# Altium PCB Copy of GameBoard_V1I1_083018.PcbDoc (part 8 of 21)
Units mil, origin at the board's own origin, x right, y up, seen from the top; angles counter-clockwise.
Board outline 7165.35 x 2763.78 mil, 12 copper layers (L1, L2, L3, L4, L5 (PWR), L6 (PWR), L7 (PWR), L8 (PWR), L9, L10, L11, L12), stack 61.575 mil thick; 1542 components, 1068 nets, 5447 pads, 3797 vias.
Unrouted connection lines stored in the file: 105.
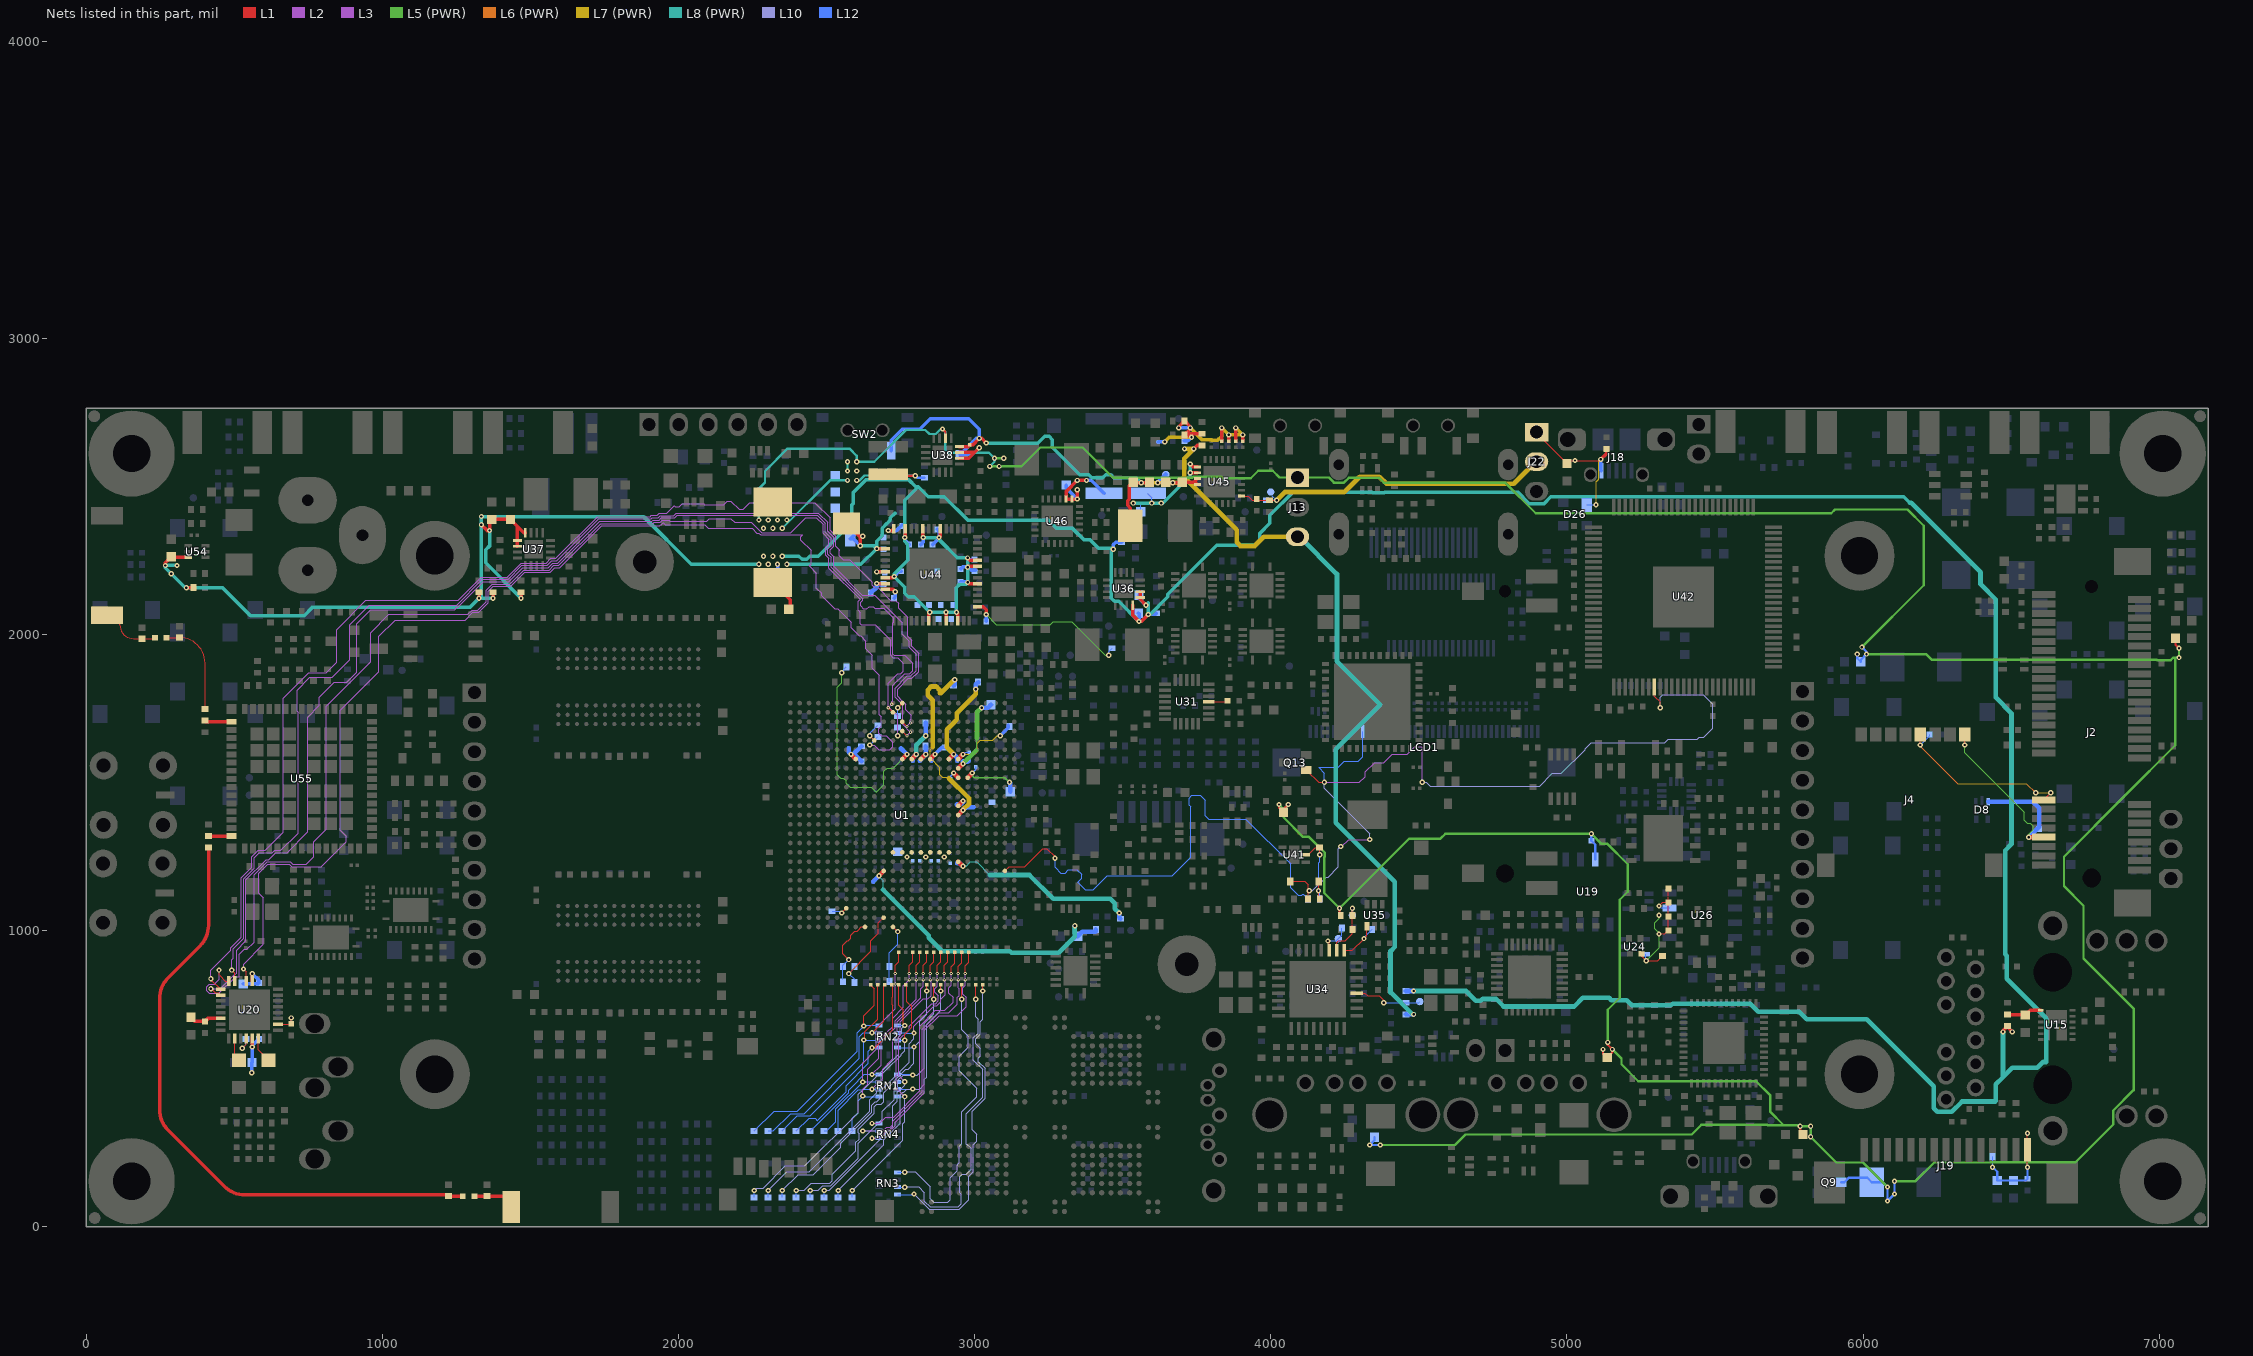
[diagram p18: the nets of this part, all layers, seen from the top]

## Via types
v1: diameter 17.72, hole 7.87, L1 to L12, 1936 vias
v2: diameter 17.72, hole 7.87, L1 to L12, tented both sides, 999 vias
v3: diameter 10.63, hole 3.94, L1 to L2, 337 vias
v4: diameter 10.63, hole 3.94, L2 to L3, 335 vias
v5: diameter 10.63, hole 3.94, L10 to L11, 96 vias
v6: diameter 10.63, hole 3.94, L11 to L12, 94 vias

## Nets (pads, with @x,y where several pads share a name; then routed paths per layer and width w, separated by ;. In a path a pad name is that pad's centre, name@x,y a point inside that pad or via, vN(x,y) a via of type N, cw(c..) or ccw(c..) an arc to the next point about the centre after c; other vN are vias at no path point) (continued)
+GYRO_VREGD: C321.1 U31.16 | length 65.6
  L1 w3.94: U31.16@3790.35,1771.65 3850.39,1771.65 C321.1@3854.33,1775.59
+HDMI_VP: C73.1 R22.2 U1.L7 | length 79
  L1 w15.75: U1.L7@2818.9,1578.74 v2(2834.65,1594.49)
  L12 w15.75: C73.1@2814.96,1573.43 2834.65,1593.11 v2(2834.65,1594.49) R22.2@2834.65,1622.05
+HDMI_VPH: C76.1 R27.2 U1.M7 | length 167.6
  L1 w15.75: U1.M7@2787.4,1578.74 v2(2803.15,1594.49)
  L8 (PWR) w15.75: v2(2803.15,1594.49) 2803.15,1625.98 v2(2834.65,1657.48)
  L12 w15.75: C76.1@2791.34,1573.43 2791.34,1582.68 v2(2803.15,1594.49) ; v2(2834.65,1657.48) R27.2@2834.65,1700.79
+LVDS_2V5: C83.1 C84.1 R32.2 U1.V7 | length 130.8
  L1 w15.75: v2(2582.68,1594.49) U1.V7@2598.43,1578.74
  L12 w15.75: C84.1@2574.8,1615.55 2574.8,1602.36 v2(2582.68,1594.49) v2@2590.55,1594.49 ; C83.1@2618.11,1570.87 2594.49,1594.49 v2@2590.55,1594.49 ; R32.2@2618.11,1622.05 v2@2590.55,1594.49
+MPCIE_SIM_PWR: C238.1 D8.3 J2.8 J4.C1 | length 799.1
  L1 w3.94: v1(6343.31,1625.98) J4.C1@6343.31,1661.42
  L1 w15.75: v1(6559.06,1314.96) J2.8@6610.24,1314.96
  L5 (PWR) w3.94: v1(6343.31,1625.98) 6343.31,1600.6 6544.29,1399.61 6544.29,1371.84 6554.91,1361.22 6565.17,1361.22 6573.82,1352.57 6573.82,1340.34 6559.06,1325.58 v1(6559.06,1314.96)
  L12 w15.75: D8.3@6422.76,1435.04 6572.83,1435.04 6594.49,1413.39 6594.49,1350.39 v1(6559.06,1314.96)
+MPCIE_SIM_VPP: C239.1 J2.16 J4.C6 | length 627.1
  L1 w3.94: v1(6193.31,1625.98) J4.C6@6193.31,1661.42 ; J2.16@6610.24,1440.95 v1(6633.86,1464.57)
  L6 (PWR) w3.94: v1(6193.31,1625.98) 6193.31,1621.65 6318.9,1496.06 6551.18,1496.06 v1(6582.68,1464.57) v1(6633.86,1464.57)
  L12 w3.94: v1(6193.31,1625.98) 6224.41,1657.09 C239.1@6224.41,1661.42
+NVCC_CSI: C158.1 R113.1 U1.N7 | length 772.6
  L1 w15.75: U1.N7@2755.91,1578.74 v2(2771.65,1594.49)
  L5 (PWR) w3.66: v1(2551.18,1870.08) 2551.18,1835.64 2536.56,1821.02 2536.56,1600.55 2536.55,1525.44 2547.37,1514.63 2557.24,1514.63 2565.81,1506.06 2565.81,1497.18 2579.86,1483.13 2651.73,1483.13 2668.32,1466.54 2694.04,1492.25 2694.04,1537.55 2704.85,1548.37 2725.53,1548.37 v2(2771.65,1594.49)
  L12 w3.66: v1(2551.18,1870.08) 2551.18,1874.02 R113.1@2566.93,1889.76
  L12 w15.75: C158.1@2750.59,1614.17 2751.97,1614.17 v2(2771.65,1594.49)
+NVCC_ENET: C166.1 C167.1 R115.1 U1.R19 | length 1020.2
  L1 w15.75: v1(2677.17,1185.04) U1.R19@2692.91,1200.79
  L8 (PWR) w3.94: v1(2677.17,1185.04) 2677.17,1183.07 2691.93,1168.31 2691.93,1147.43 2690.65,1146.15 2690.65,1137.8
  L8 (PWR) w15.75: 2690.65,1137.8 2845.47,982.97 2845.47,975.69 2891.04,930.12 3118.8,930.12 3124.7,924.21 3284.15,924.21 3338.58,978.64 v1(3338.58,1015.75)
  L12 w15.75: C166.1@2657.48,1163.98 2657.48,1165.35 v1(2677.17,1185.04) ; v1(3338.58,1015.75) 3338.58,990.16 C167.1@3348.43,980.31 3363.19,995.08 3409.45,995.08 R115.1@3409.45,1002.95
+NVCC_MIPI: C163.1 R114.1 U1.K7 | length 93.4
  L1 w15.75: U1.K7@2850.39,1578.74 v2(2866.14,1594.49)
  L12 w11.81: v2(2866.14,1594.49) 2889.76,1618.11 R114.1@2901.57,1618.11
  L12 w15.75: C163.1@2854.33,1573.43 2854.33,1582.68 v2(2866.14,1594.49)
+NVCC_RGMII: C168.1 R116.1 U1.G18 | length 682.8
  L1 w15.75: U1.G18@2944.88,1232.28 v2(2960.63,1216.54)
  L8 (PWR) w3.94: v2(2960.63,1216.54) 2971.25,1216.54 2986.01,1231.3 3006.89,1231.3 3051.18,1187.01
  L8 (PWR) w15.75: 3051.18,1187.01 3185.33,1187.01 3265.06,1107.28 3457.38,1107.28 3473.43,1091.24 3473.43,1073.82 v1(3488.19,1059.06)
  L12 w15.75: C168.1@2940.95,1226.97 2950.2,1226.97 v2(2960.63,1216.54) ; v1(3488.19,1059.06) 3488.19,1043.31 R116.1@3492.13,1039.37
+PCIE_VP: C59.1 R12.2 U1.H7 | length 346.5
  L1 w15.75: U1.H7@2913.39,1578.74 v2(2929.13,1594.49)
  L7 (PWR) w15.75: v2(2929.13,1594.49) 2905.51,1618.11 2905.51,1677.17 2939.96,1711.61 2939.96,1733.56 3004.43,1798.03 3004.43,1814.47 v1(3003.94,1814.96)
  L12 w15.75: v2(2929.13,1594.49) 2940.95,1582.68 C59.1@2940.95,1573.43 ; v1(3003.94,1814.96) 3003.94,1830.71 R12.2@3011.81,1838.58
+PCIE_VPH: C64.1 R13.2 U1.G7 | length 262.4
  L1 w15.75: U1.G7@2944.88,1578.74 v2(2960.63,1594.49)
  L7 (PWR) w3.94: v2(2960.63,1594.49) 3000,1594.49 3008.86,1603.35 3008.86,1632.1 3019.48,1642.72 3061.23,1642.72 3076,1657.48 v1(3086.61,1657.48)
  L12 w3.94: v2(2960.63,1594.49) 2968.5,1602.36 C64.1@2981.69,1602.36
  L12 w11.81: v1(3086.61,1657.48) 3114.17,1685.04 R13.2@3114.17,1692.91
+PCIE_VPTX: C61.1 FB1.2 U1.G8 | length 301.2
  L1 w15.75: U1.G8@2944.88,1547.24 v2(2960.63,1562.99)
  L5 (PWR) w3.94: 3004.77,1607.14 3007.87,1610.24 3007.87,1649.61
  L5 (PWR) w15.75: v2(2960.63,1562.99) 3004.77,1607.14 ; 3007.87,1649.61 3007.87,1736.22 v1(3023.62,1751.97)
  L12 w15.75: v2(2960.63,1562.99) 2960.63,1570.28 2977.17,1570.28 C61.1@2980.32,1573.43 ; v1(3023.62,1751.97) 3045.28,1751.97 FB1.2@3055.12,1761.81
+PMIC_LICELL: C428.1 U44.42 | length 75.6
  L1 w11.81: v2(2708.66,2350.39) 2720.47,2350.39 U44.42@2726.38,2356.3
  L12 w11.81: v2(2708.66,2350.39) 2736.22,2350.39 C428.1@2755.91,2370.08
+PMIC_VCORE: C473.1 U44.49 | length 54
  L1 w11.81: v2(2669.29,2210.63) U44.49@2698.82,2210.63
  L12 w11.81: v2(2669.29,2210.63) 2690.94,2210.63 C473.1@2692.91,2208.66
+PMIC_VCOREREF: C472.1 U44.52 | length 60
  L1 w11.81: U44.52@2698.82,2151.57 2724.41,2151.57 v2(2732.28,2143.7)
  L12 w11.81: C472.1@2728.35,2122.05 2732.28,2125.98 v2(2732.28,2143.7)
+PULLUP: R465.2 R466.1 R471.2 R472.2 R473.2 R474.2 R488.2 R489.2 R490.2 R495.2 | length 774.1
  L1 w11.81: v1(3688.98,2696.85) 3688.98,2700.79 R489.2@3708.66,2720.47 3728.35,2700.79 v1(3728.35,2696.85) 3728.35,2692.91 R488.2@3708.66,2673.23 3720.47,2673.23 v1@3730.31,2663.39 ; v1(3732.28,2665.35) 3720.47,2677.17 R465.2@3767.72,2677.17 ; R474.2@3834.65,2652.17 v1(3834.65,2696.85) ; R473.2@3858.27,2652.17 v1(3858.27,2673.23) ; R472.2@3881.89,2652.17 v1(3881.89,2696.85) ; R471.2@3905.51,2652.17 v1(3905.51,2673.23)
  L7 (PWR) w11.81: v1(3641.73,2649.61) 3657.48,2665.35 v1(3732.28,2665.35) ; v1(3728.35,2696.85) 3767.72,2657.48 3800.32,2657.48 3803.28,2654.53 3819.88,2654.53 3834.65,2669.29 v1(3834.65,2696.85) v1(3858.27,2673.23) v1(3905.51,2673.23) v1(3881.89,2696.85)
  L12 w11.81: R495.2@3620.67,2649.61 v1(3641.73,2649.61) ; v1(3688.98,2696.85) v1(3728.35,2696.85) ; R490.2@3708.66,2653.54 3720.47,2653.54 v1(3732.28,2665.35)
+PWRON_1V375_OPT: C418.1 R301.2 U44.16 | length 580
  L1 w11.81: U44.16@3009.84,2092.52 3029.53,2092.52 3039.37,2082.68 v2(3039.37,2066.93)
  L5 (PWR) w3.94: v2(3039.37,2066.93) 3073.71,2032.59 3255.8,2032.59 3265.54,2042.32 3327.76,2042.32 3440.94,1929.13 v1(3452.76,1929.13)
  L12 w3.94: v1(3452.76,1929.13) 3452.76,1940.94 R301.2@3464.57,1952.76
  L12 w11.81: C418.1@3039.37,2043.31 v2(3039.37,2066.93)
+SATA_VP: C87.1 R39.2 U1.G13 | length 704.6
  L1 w15.75: U1.G13@2944.88,1389.76 v2(2960.63,1405.51)
  L7 (PWR) w3.94: 2858.27,1618.05 2850.39,1610.18 2850.39,1582.68 2882.87,1550.2 2882.87,1525.38 2891.52,1516.73 2910.14,1516.73 2913.39,1513.48
  L7 (PWR) w15.75: 2858.27,1618.05 2858.27,1777.86 2841.54,1794.59 2841.54,1811.71 2853.64,1823.82 2870.77,1823.82 2882.87,1811.71 2882.87,1800.97 2885.91,1800.97 2931.4,1846.46 v1(2933.07,1846.46) ; 2913.39,1513.48 2981.3,1445.57 2981.3,1428.45 2960.63,1407.78 v2(2960.63,1405.51)
  L12 w15.75: R39.2@2929.13,1826.77 2933.07,1830.71 v1(2933.07,1846.46) ; v2(2960.63,1405.51) 2971.06,1415.95 C87.1@2996.06,1415.95
+SATA_VPH: C93.1 R40.2 U1.G12 | length 50.4
  L1 w15.75: U1.G12@2944.88,1421.26 v2(2960.63,1437.01)
  L12 w15.75: C93.1@2939.57,1425.2 2940.55,1426.18 2953.46,1426.18 2960.63,1433.35 v2(2960.63,1437.01)
+SYS: C350.1 C351.1 C483.1 C484.1 C485.1 C486.1 J13.3 L17.2 R465.1 R583.1 SW2.3 TP45.1 U38.10 U38.11 U38.12 U45.15 U45.16 | length 4577.7
  L1 w11.81: U38.10@2948.82,2594.49 2980.31,2594.49 3000,2614.17 ; U38.11@2948.82,2614.17 3000,2614.17 ; U38.12@2948.82,2633.86 2978.94,2633.86 C351.1@2984.25,2639.17 2993.5,2639.17 v1(3015.75,2661.42) 3023.62,2661.42 v1(3039.37,2645.67) ; v1(3015.75,2629.92) 3000,2614.17 ; L17.2@3526.08,2366.14 3526.08,2425.82 3516.73,2435.17 3516.73,2450.66 3522.77,2456.69 3522.77,2501.11 C486.1@3535.43,2513.78 3537.4,2511.81 v1(3562.99,2511.81) 3588.58,2511.81 C485.1@3590.55,2513.78 ; v1(3669.29,2511.81) 3698.82,2511.81 C483.1@3700.79,2513.78 3740.16,2513.78 ; v1(3740.16,2625.98) 3751.97,2637.8 R465.1@3767.72,2637.8 ; U45.16@3751.97,2505.91 3744.09,2513.78 3740.16,2513.78 ; U45.15@3751.97,2525.59 3740.16,2513.78
  L7 (PWR) w11.81: v1(3562.99,2511.81) v1(3618.11,2511.81) v1(3669.29,2511.81)
  L7 (PWR) w15.75: v1(3669.29,2511.81) 3689.96,2511.81 3707.68,2529.53 ; v1(3708.66,2625.98) v1(3740.16,2625.98) 3707.68,2593.5 3707.68,2529.53 ; J13.3@4090.55,2329.13 3976.47,2329.13 3945.57,2298.23 3896.95,2298.23 3884.84,2310.34 3884.84,2352.36 3707.68,2529.53
  L8 (PWR) w11.81: v1(3039.37,2645.67) 3213.71,2645.67 3236.35,2668.31 3251.84,2668.31 3262.8,2657.35 3262.8,2630.91 3355.31,2538.39 3385.7,2538.39 3395.54,2528.54 3432.94,2528.54 3442.79,2538.39 3460.5,2538.39 3470.34,2528.54 3546.26,2528.54 v1(3562.99,2511.81)
  L8 (PWR) w15.75: J13.3@4090.55,2329.13 4097.73,2329.13 4223.43,2203.44 4223.43,1908.46 4370.08,1761.81 4219.49,1611.22 4219.49,1363.19 4418.31,1164.37 4418.31,944.19 4404.53,930.41 4404.53,790.65 4478.64,716.54 v1(4482.28,716.54)
  L12 w11.81: SW2.3@2718.5,2620.08 2718.5,2655.51 2755.91,2692.91 2814.96,2692.91 2850.39,2728.35 2980.31,2728.35 3015.75,2692.91 v1(3015.75,2661.42) 3005.91,2661.42 C350.1@2950.79,2606.3 2992.13,2606.3 v1(3015.75,2629.92)
  L12 w15.75: v1(3618.11,2511.81) TP45.1@3645.67,2539.37 ; R583.1@4456.69,716.54 v1(4482.28,716.54)
+USB_CHARGE: C359.1 C360.1 D26.1 J18.1 J22.1 | length 542.5
  L1 w3.66: J22.1@4897.64,2682.68 4897.64,2679.13 C359.1@5000,2576.77 5009.84,2586.61 v1(5027.56,2586.61) 5110.24,2586.61 v1(5114.17,2590.55)
  L1 w11.81: v1(5114.17,2590.55) 5133.86,2610.24 C360.1@5133.86,2625.98
  L7 (PWR) w3.66: v1(5098.43,2437.01) 5098.43,2514.31 5107.15,2523.03 5107.15,2583.52 v1(5114.17,2590.55)
  L12 w3.66: D26.1@5066.93,2437.01 v1(5098.43,2437.01)
  L12 w11.81: v1(5114.17,2590.55) 5114.17,2554.13 J18.1@5116.14,2552.17
+VBUS: C481.1 C482.1 J22.2 R468.2 TP25.1 U45.1 | length 1133.3
  L1 w3.94: U45.1@3901.57,2466.54 3923.23,2466.54 3937.01,2452.76 R468.2@3996.06,2452.76 v1(4019.69,2452.76)
  L7 (PWR) w15.75: v1(4019.69,2452.76) 4047.24,2480.31 4248.03,2480.31 4300.2,2532.48 4366.83,2532.48 4391.04,2508.27 4819.94,2508.27 4894.34,2582.68 J22.2@4897.64,2582.68
  L12 w3.94: C482.1@3984.25,2452.76 3984.25,2453.87 v1@4018.57,2453.87 ; TP25.1@4003.94,2468.5 v1@4018.57,2453.87 ; v1(4019.69,2452.76) v1@4018.57,2453.87
+VCC_CAN: C301.1 C304.1 C305.2 FB32.2 FB33.2 R248.2 U24.5 U26.3 | length 550.6
  L1 w3.94: C301.1@5251.97,921.26 5251.97,913.39 v1(5267.72,897.64) 5307.09,897.64 R248.2@5322.83,913.39 ; v1(5311.02,988.19) 5330.71,988.19 FB32.2@5342.52,1000 C305.2@5342.52,1047.24 C304.1@5342.52,1094.49 ; v1(5311.02,1082.68) 5322.83,1094.49 C304.1@5342.52,1094.49 ; FB33.2@5342.52,1141.73 C304.1@5342.52,1094.49
  L5 (PWR) w3.94: v1(5267.72,897.64) 5311.02,940.94 v1(5311.02,988.19) 5311.02,990.16 5296.26,1004.92 5296.26,1025.8 5311.02,1040.56 v1(5311.02,1051.18)
  L12 w3.94: U24.5@5265.75,919.29 5265.75,899.61 v1(5267.72,897.64) ; v1(5311.02,1082.68) 5317.52,1076.18 U26.3@5346.46,1076.18
+VCOREDIG: C471.1 R432.2 U44.51 | length 115.3
  L1 w11.81: v2(2669.29,2171.26) U44.51@2698.82,2171.26
  L12 w11.81: v2(2669.29,2171.26) 2690.94,2171.26 C471.1@2692.91,2169.29
  L12 w15.75: R432.2@2649.61,2139.76 2669.29,2159.45 2669.29,2169.29 C471.1@2692.91,2169.29
+VDD_CSI: C475.1 C476.1 FB48.2 J19.15 R451.2 R452.2 | length 381
  L1 w3.94: v1@6555.12,200.79 J19.15@6555.12,259.84 v1(6555.12,314.96)
  L12 w3.94: v1(6437.01,200.79) R452.2@6437.01,236.22 ; v1(6555.12,200.79) R451.2@6555.12,236.22
  L12 w7.87: v1(6437.01,200.79) 6452.76,185.04 FB48.2@6452.76,155.51 C475.1@6507.87,155.51 6549.21,155.51 C476.1@6555.12,161.42 v1(6555.12,200.79)
+VDD_SNVS_CAP: C156.1 U1.G9 | length 46.3
  L1 w15.75: v2(2929.13,1531.5) U1.G9@2944.88,1515.75
  L12 w5.91: C156.1@2918.7,1511.81 2918.7,1521.06 v2(2929.13,1531.5)
+VDDA: C271.1 FB16.1 FB20.1 U20.5 | length 153.6
  L1 w11.81: v1(561.02,606.3) U20.5@561.02,635.43
  L12 w11.81: v1(559.06,519.68) 559.06,553.39 FB20.1@559.96,554.29 561.02,555.35 v1(561.02,606.3) 561.02,611.46 C271.1@583.58,634.02
+VDDD: C270.1 FB17.2 FB18.1 U20.30 | length 109
  L1 w11.81: FB18.1@354.33,704.72 366.14,692.91 C270.1@401.57,692.91 411.42,702.76 U20.30@454.33,702.76
+VDDIO: C269.1 FB19.2 U20.20 | length 120.3
  L1 w11.81: U20.20@561.02,829.13 v1(561.02,854.33)
  L12 w11.81: FB19.2@530.71,819.33 579.92,819.33 C269.1@583.58,822.99 583.58,831.77 v1(561.02,854.33)
+VDDPU: C143.1 C144.1 C145.1 C146.1 C147.1 C148.1 U1.H17 U1.J17 U1.K17 U1.L17 U1.M17 U1.N17 U1.P17
  other v2: 2771.65,1248.03 2834.65,1248.03 2897.64,1248.03
+VDDUSB: C68.1 C69.1 U1.F9 | length 225
  L1 w15.75: U1.F9@2976.38,1515.75 v2(2992.13,1531.5)
  L5 (PWR) w5.51: v2(2992.13,1531.5) 2992.13,1522.24 2998.43,1515.94 3102.17,1515.94 v1(3118.11,1500)
  L12 w5.51: v2(2992.13,1531.5) 3003.94,1543.31 C69.1@3003.94,1552.56
  L12 w15.75: v1(3118.11,1500) 3120.08,1498.03 C68.1@3120.08,1468.5
+VIN_4V2: C337.1 C338.1 C343.1 C344.1 C355.1 C420.1 C431.1 C432.1 C433.1 C434.1 C435.1 C436.1 C437.1 C438.1 C456.1 C457.1 C461.1 C462.1 C463.1 C464.1 C465.1 C466.1 C467.1 C468.1 C469.1 C523.1 D24.1 L16.1 R119.1 R227.1 R294.2 R295.2 R305.2 R306.2 R310.1 R508.1 TP22.1 U36.1 U36.2 U36.16 U37.1 U37.2 U37.16 U44.7 U44.10 U44.12 U44.20 U44.23 U44.24 U44.34 U44.37 U44.40 U44.45 U44.50 U54.3 | length 15469.2
  L1 w11.81: v1(267.72,2232.28) 267.72,2242.13 C523.1@287.4,2261.81 289.37,2259.84 U54.3@344.88,2259.84 ; v1(338.58,2157.48) R508.1@362.2,2157.48 ; v1(1326.77,2122.05) R306.2@1326.77,2141.73 ; v1(1334.65,2370.08) 1354.33,2350.39 v1(1362.2,2350.39) 1362.2,2379.92 C344.1@1370.08,2387.8 C343.1@1433.07,2387.8 1456.3,2364.57 ; v1(1374.02,2122.05) R310.1@1374.02,2141.73 ; U37.2@1456.3,2297.24 U37.1@1456.3,2316.93 1456.3,2364.57 ; v1(1468.5,2122.05) R305.2@1468.5,2141.73 ; U37.16@1482.28,2342.91 1477.95,2342.91 1456.3,2364.57 ; D24.1@2299.21,2155.51 D24.1@2318.9,2175.2 2377.95,2116.14 C355.1@2377.95,2082.68 ; L16.1@2566.93,2374.02 2610.24,2330.71 v1(2622.05,2330.71) 2614.17,2322.83 v1(2614.17,2299.21) ; v2(2669.29,2289.37) U44.45@2698.82,2289.37 ; U44.50@2698.82,2190.94 2724.41,2190.94 v2(2728.35,2194.88) ; v2(2763.78,2326.77) 2765.75,2328.74 U44.40@2765.75,2356.3 ; U44.37@2824.8,2356.3 2824.8,2328.74 v2(2826.77,2326.77) ; U44.7@2844.49,2045.28 2844.49,2070.87 v2(2848.43,2074.8) ; v2(2879.92,2326.77) 2883.86,2330.71 U44.34@2883.86,2356.3 ; U44.10@2903.54,2045.28 v2(2903.54,2074.8) ; v2(2938.98,2074.8) 2942.91,2070.87 U44.12@2942.91,2045.28 ; v2(2976.38,2175.2) 2980.31,2171.26 U44.20@3009.84,2171.26 ; v2(2976.38,2226.38) 2980.31,2230.31 U44.23@3009.84,2230.31 ; v2(2976.38,2257.87) 2984.25,2250 U44.24@3009.84,2250 ; U36.16@3533.46,2098.03 3533.46,2064.96 v1(3555.12,2043.31) 3562.99,2043.31 v1(3586.61,2066.93) ; U36.2@3559.45,2143.7 U36.1@3559.45,2124.02 3559.45,2117.72 v1(3578.74,2098.43) ; v1(6472.44,657.48) 6472.44,661.42 R119.1@6488.19,677.17 6488.19,673.23 v1(6503.94,657.48)
  L8 (PWR) w11.81: v1(307.09,2232.28) v1(267.72,2232.28) 267.72,2224.41 v1(287.4,2204.72) 334.65,2157.48 v1(338.58,2157.48) 460.63,2157.48 555.12,2062.99 736.22,2062.99 763.78,2090.55 1295.28,2090.55 v1(1326.77,2122.05) ; v1(1362.2,2350.39) 1362.2,2298.1 1349.41,2285.31 1349.41,2241.14 v1(1468.5,2122.05) ; v1(1374.02,2122.05) v1(1326.77,2122.05) ; v1(2271.65,2236.22) 2043.31,2236.22 1881.89,2397.64 v1(1334.65,2397.64) v1(1334.65,2370.08) 1334.65,2129.92 v1(1326.77,2122.05) ; v1(2350.39,2263.78) 2406.62,2263.78 2417.45,2252.95 2432.94,2252.95 2443.9,2263.91 2472.57,2263.91 2585.76,2377.1 2585.76,2437.01 2590.12,2441.37 2590.12,2478.77 2633.99,2522.64 2776.79,2522.64 2800.84,2498.59 2809.61,2498.59 ; v1(2366.14,2236.22) 2616.14,2236.22 v2(2669.29,2289.37) ; v1(2614.17,2299.21) 2615.16,2298.23 2660.43,2298.23 v2(2669.29,2289.37) ; 2732.28,2409.45 2731.67,2409.45 2715.55,2393.33 2715.55,2385.95 2704.6,2375 2704.34,2375 2687.99,2358.66 2687.99,2332.8 2669.29,2314.1 v2(2669.29,2289.37) ; v2(2826.77,2326.77) v2(2879.92,2326.77) 2879.92,2320.01 2942.06,2257.87 v2(2976.38,2257.87) v2(2976.38,2226.38) v2(2976.38,2175.2) 2969.49,2168.31 2948.95,2168.31 2937.99,2157.35 2937.99,2075.79 v2(2938.98,2074.8) v2(2903.54,2074.8) v2(2848.43,2074.8) 2796.26,2126.97 2775.72,2126.97 2764.76,2137.92 2764.76,2158.47 v2(2728.35,2194.88) 2728.35,2203.61 2774.61,2249.87 2774.61,2303.02 2763.78,2313.85 v2(2763.78,2326.77) 2763.78,2452.76 2809.61,2498.59 ; v1@3464.57,2291.34 3417.32,2291.34 3388.78,2319.88 3367.98,2319.88 3330.58,2357.28 3277.69,2357.28 3249.14,2385.83 2976.38,2385.83 2897.64,2464.57 2843.63,2464.57 2809.61,2498.59 ; v1(3468.5,2287.4) 3461.61,2280.51 3461.61,2122.18 3472.57,2111.22 3487.2,2111.22 v1(3555.12,2043.31) ; 3586.61,2106.3 v1(3586.61,2066.93) 3593.38,2066.93 3652.56,2126.11 3652.56,2135.7 3817.06,2300.2 3944.75,2300.2 3963.58,2319.03 3963.58,2341.54 3997.05,2375 3997.05,2401.97 4075.4,2480.31 4341.05,2480.31 4344,2477.36 4383.49,2477.36 4386.44,2480.31 4833.66,2480.31 4872.64,2441.34 4922.63,2441.34 4945.86,2464.57 6136.81,2464.57 6157.48,2443.9
  L8 (PWR) w15.75: v1(4482.28,795.28) 4659.75,795.28 4692.23,762.8 4709.35,762.8 4715.25,768.7 4760.53,768.7 4786.12,743.11 5024.31,743.11 5053.84,772.64 5142.42,772.64 5150.29,764.76 5201.47,764.76 5219.19,747.05 5351.08,747.05 5356.99,752.95 5618.8,752.95 5646.36,725.39 5784.15,725.39 5809.74,699.8 6012.8,699.8 6238.23,474.37 6238.23,399.57 6250.31,387.48 6299.19,387.48 6333.92,422.2 6445.83,422.2 6447.83,424.21 6447.83,480.31 6472.44,504.92 ; 6157.48,2443.9 6162.4,2443.9 6396.65,2209.65 6396.65,2168.6 6447.83,2117.42 6447.83,1786.71 6500.98,1733.56 6500.98,1290.65 6480.31,1269.98 6480.31,919.98 6485.24,915.06 6485.24,836.92 6618.11,704.05 6618.11,556.06 6608.24,556.06 6588.59,536.42 6503.94,536.42 6472.44,504.92 ; v1(6472.44,657.48) 6472.44,504.92
  L12 w11.81: TP22.1@2318.9,2200.79 2334.65,2216.54 v1(2334.65,2236.22) ; C457.1@2598.43,2381.89 2598.43,2339.57 C456.1@2580.71,2321.85 2591.54,2321.85 v1(2614.17,2299.21) ; C462.1@2690.95,2289.37 C462.1@2692.91,2287.4 ; v2(2728.35,2194.88) 2746.06,2212.6 C469.1@2751.97,2212.6 ; v2(2763.78,2326.77) 2763.78,2318.9 C436.1@2779.53,2303.15 ; C433.1@2818.9,2303.15 2826.77,2311.02 v2(2826.77,2326.77) ; C420.1@2858.27,2303.15 2879.92,2324.8 v2(2879.92,2326.77) 2879.92,2348.43 C431.1@2874.02,2354.33 ; C463.1@2952.76,2177.17 2974.41,2177.17 v2(2976.38,2175.2) ; C467.1@2952.76,2220.47 2960.63,2228.35 v2@2976.38,2228.35 ; v2@2977.36,2227.36 2988.19,2216.54 C461.1@3003.94,2216.54 ; v2@2980.32,2251.97 C464.1@3000,2251.97 ; v1(3468.5,2287.4) 3468.5,2303.15 3476.53,2311.18 R294.2@3496.06,2311.18 ; C337.1@3553.15,2070.87 3555.12,2068.9 v1(3555.12,2043.31) ; C338.1@3555.12,2131.89 3555.12,2122.05 v1(3578.74,2098.43) ; v1(3586.61,2066.93) 3610.24,2066.93 R295.2@3614.17,2070.87
  L12 w15.75: R227.1@4456.69,795.28 v1(4482.28,795.28)
  other v1: 2303.15,2236.22 2287.4,2263.78 2318.9,2263.78
+VIN_5V: C261.1 C352.1 C353.1 C354.1 C357.1 D24.2 FB11.1 FB14.1 FB15.2 FB27.2 FB42.1 FB43.2 J13.1 L8.2 Q9.3 R317.2 R582.1 U19.7 U38.14 | length 15112.3
  L1 w7.87: L8.2@2708.66,2535.43 v2(2799.21,2535.43) ; v1(2891.73,2692.91) 2901.57,2683.07 U38.14@2901.57,2661.42 ; v1(4027.56,1425.2) 4027.56,1415.35 FB43.2@4043.31,1399.61 4043.31,1409.45 v1(4059.06,1425.2) ; v1(4232.28,1074.8) 4232.28,1055.12 R582.1@4236.22,1051.18 ; v1(5122.05,598.43) 5122.05,584.65 FB15.2@5135.83,570.87 5153.54,588.58 v1(5153.54,598.43) 5137.8,614.17 v1(5137.8,622.05) ; v1(5787.4,338.58) 5787.4,320.87 FB42.1@5797.24,311.02 ; FB11.1@7055.12,1986.22 7055.12,1964.57 v1(7066.93,1952.76)
  L5 (PWR) w7.87: v1(3051.18,2566.93) v1(3082.68,2566.93) 3157.44,2566.93 3221.42,2630.91 3365.2,2630.91 3441.93,2554.17 3467.56,2528.54 3735.28,2528.54 3739.21,2532.48 3833.7,2532.48 3839.61,2526.57 3932.13,2526.57 3957.72,2552.17 4006.93,2552.17 4029.96,2529.13 J13.1@4090.55,2529.13 4196.26,2529.13 4213.19,2512.2 4247.44,2512.2 4263.78,2528.54 4365.2,2528.54 4381.54,2512.2 4790.94,2512.2 4894.69,2408.46 5892.76,2408.46 5905.55,2421.26 6149.61,2421.26 6204.72,2366.14 6204.72,2165.35 v1(5996.06,1956.69) ; v1(3066.93,2594.49) v1(3098.43,2594.49) ; v1(4027.56,1425.2) 4043.31,1409.45 ; v1(4059.06,1425.2) 4043.31,1409.45 ; v1(4370.08,275.59) 4622.01,275.59 4657.44,311.02 5421.3,311.02 5453.78,343.5 5676.22,343.5 5677.21,342.52 5732.24,342.52 ; v1(5137.8,622.05) 5137.8,732.24 5178.15,772.6 5178.15,1103.31 5205.71,1130.86 5205.71,1223.47 5136.85,1292.32 5117.13,1292.32 v1(5082.68,1326.77) 4589.61,1326.77 4572.88,1310.04 4467.52,1310.04 v1(4232.28,1074.8) 4180.12,1126.97 4180.12,1247.01 4182.09,1248.97 4182.09,1262.84 4128.98,1315.94 4109.25,1315.94 4043.31,1381.89 4043.31,1409.45 ; v1(5153.54,598.43) 5184.06,567.91 5184.06,548.19 5241.1,491.14 5638.82,491.14 5686.02,443.94 5686.02,388.74 5732.24,342.52 ; v1(6011.81,1933.07) 6212.56,1933.07 6231.26,1914.37 6991.18,1914.37 6993.15,1912.4 7038.43,1912.4 7047.28,1921.26 7057.11,1921.26 ; v1(6082.68,133.86) 6000,216.54 5909.45,216.54 v1(5822.83,303.15) v1(5822.83,338.58) v1(5787.4,338.58) 5783.46,342.52 5732.24,342.52 ; v1(6106.3,153.54) 6177.17,153.54 6240.16,216.54 6429.09,216.54 6430.08,217.52 6717.52,217.52 6844.67,344.67 6844.67,392.09 6913.39,460.81 6913.39,736.22 6744.09,905.51 6744.09,1083.66 6678.15,1149.61 6678.15,1249.02 6884.84,1455.71 ; 6884.84,1455.75 7054.13,1625.04 7054.13,1918.29 7057.11,1921.26 ; v1(7066.93,1952.76) v1(7066.93,1921.26) 7057.11,1921.26